# Altium PCB TC264PCB.PcbDoc
Units mm, origin at the board's own origin, x right, y up, seen from the top; angles counter-clockwise.
Board outline 100.58 x 100.35 mm, 2 copper layers (Top Layer, Bottom Layer); 82 components, 103 nets, 403 pads, 81 vias.
Unrouted connection lines stored in the file: 8.
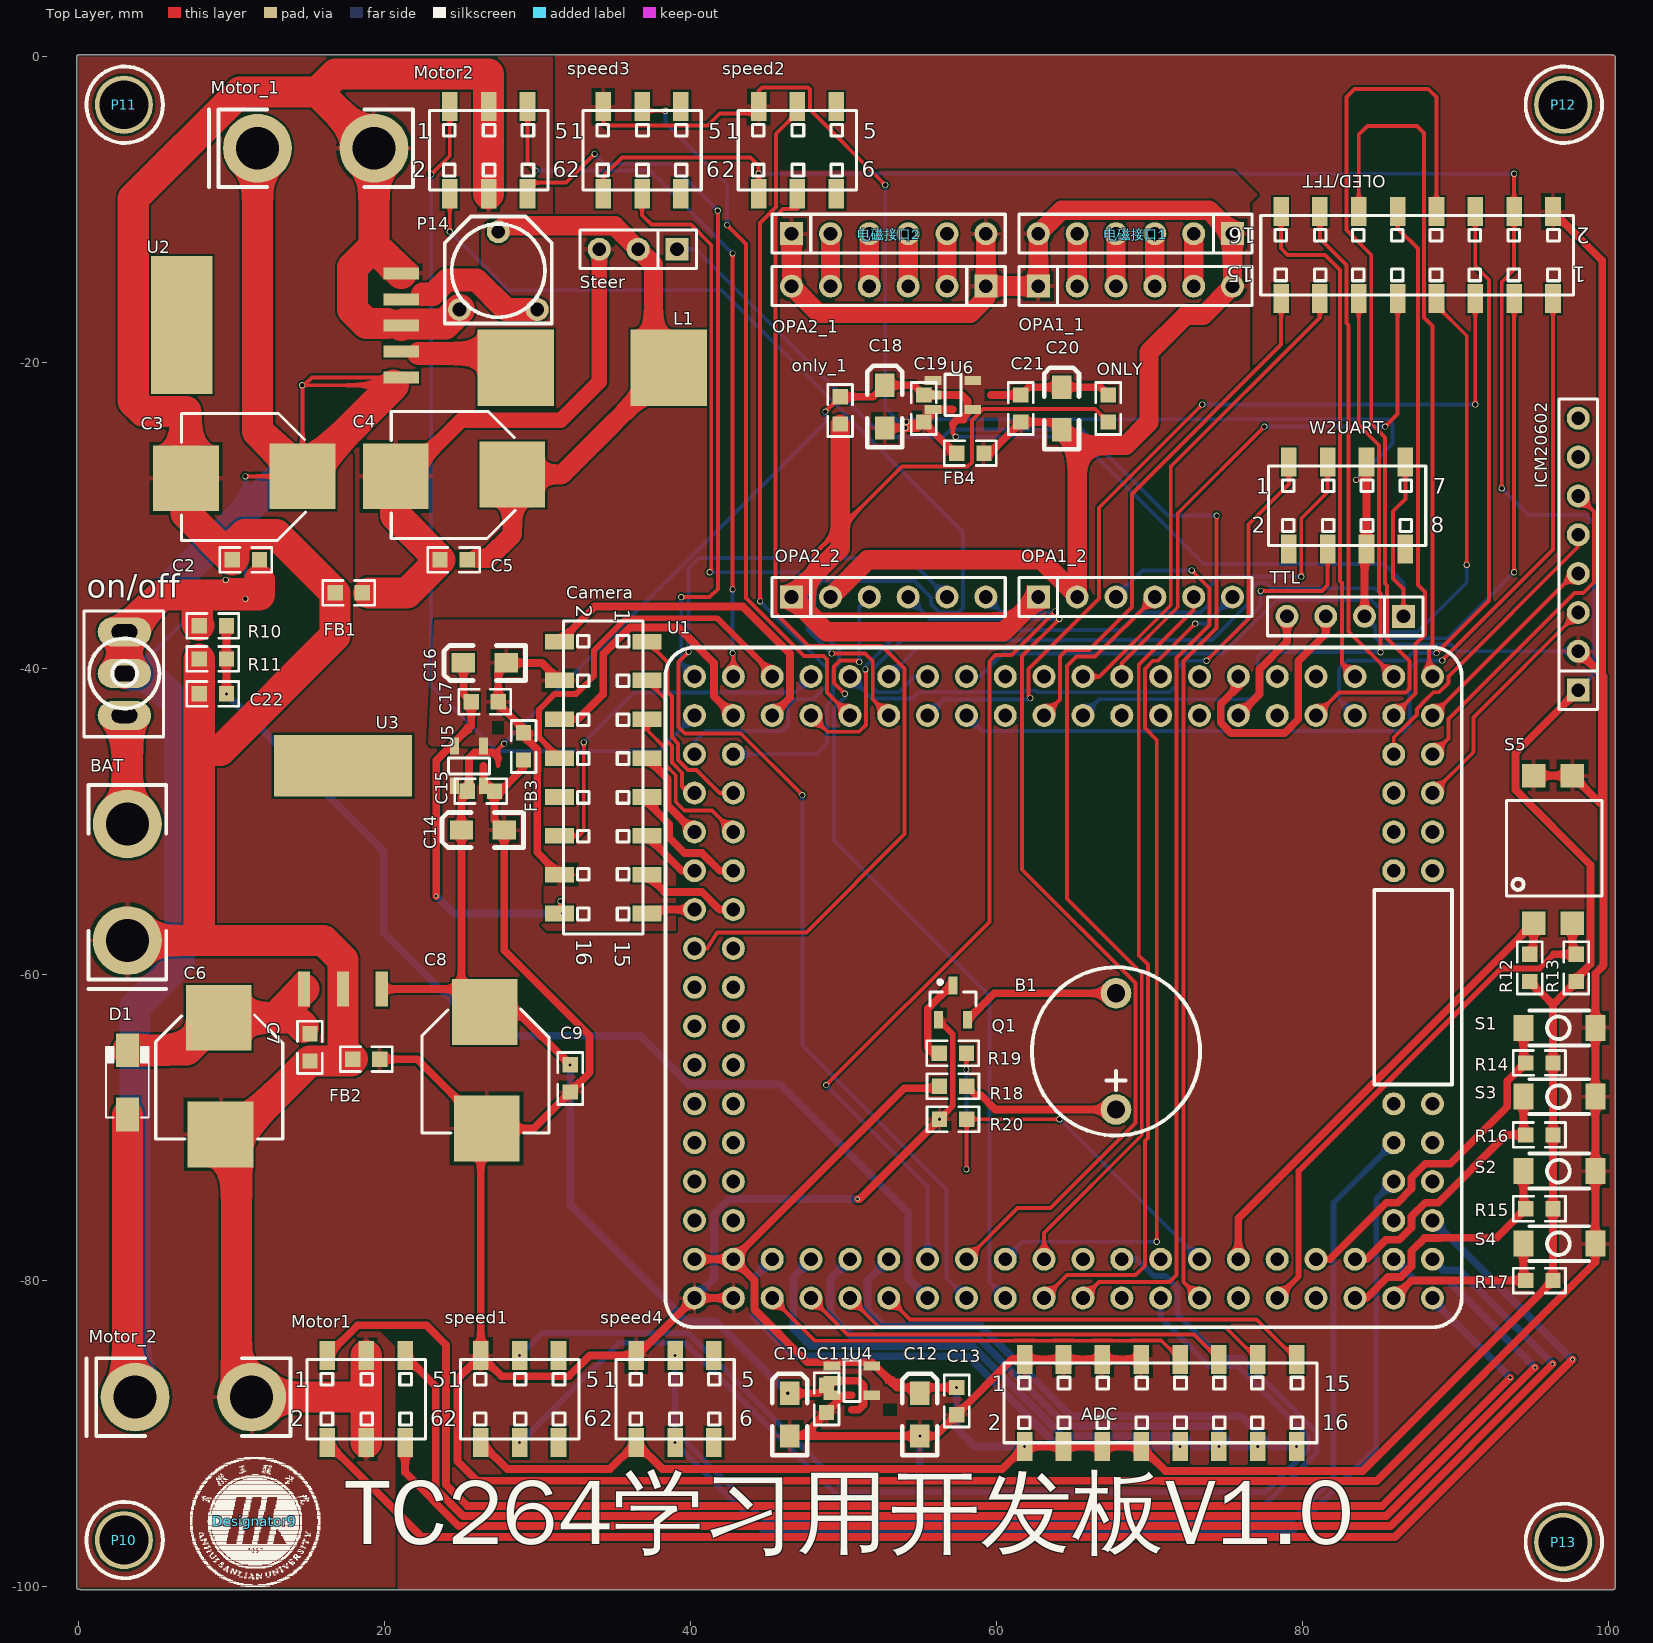
[diagram p0: Top Layer view]
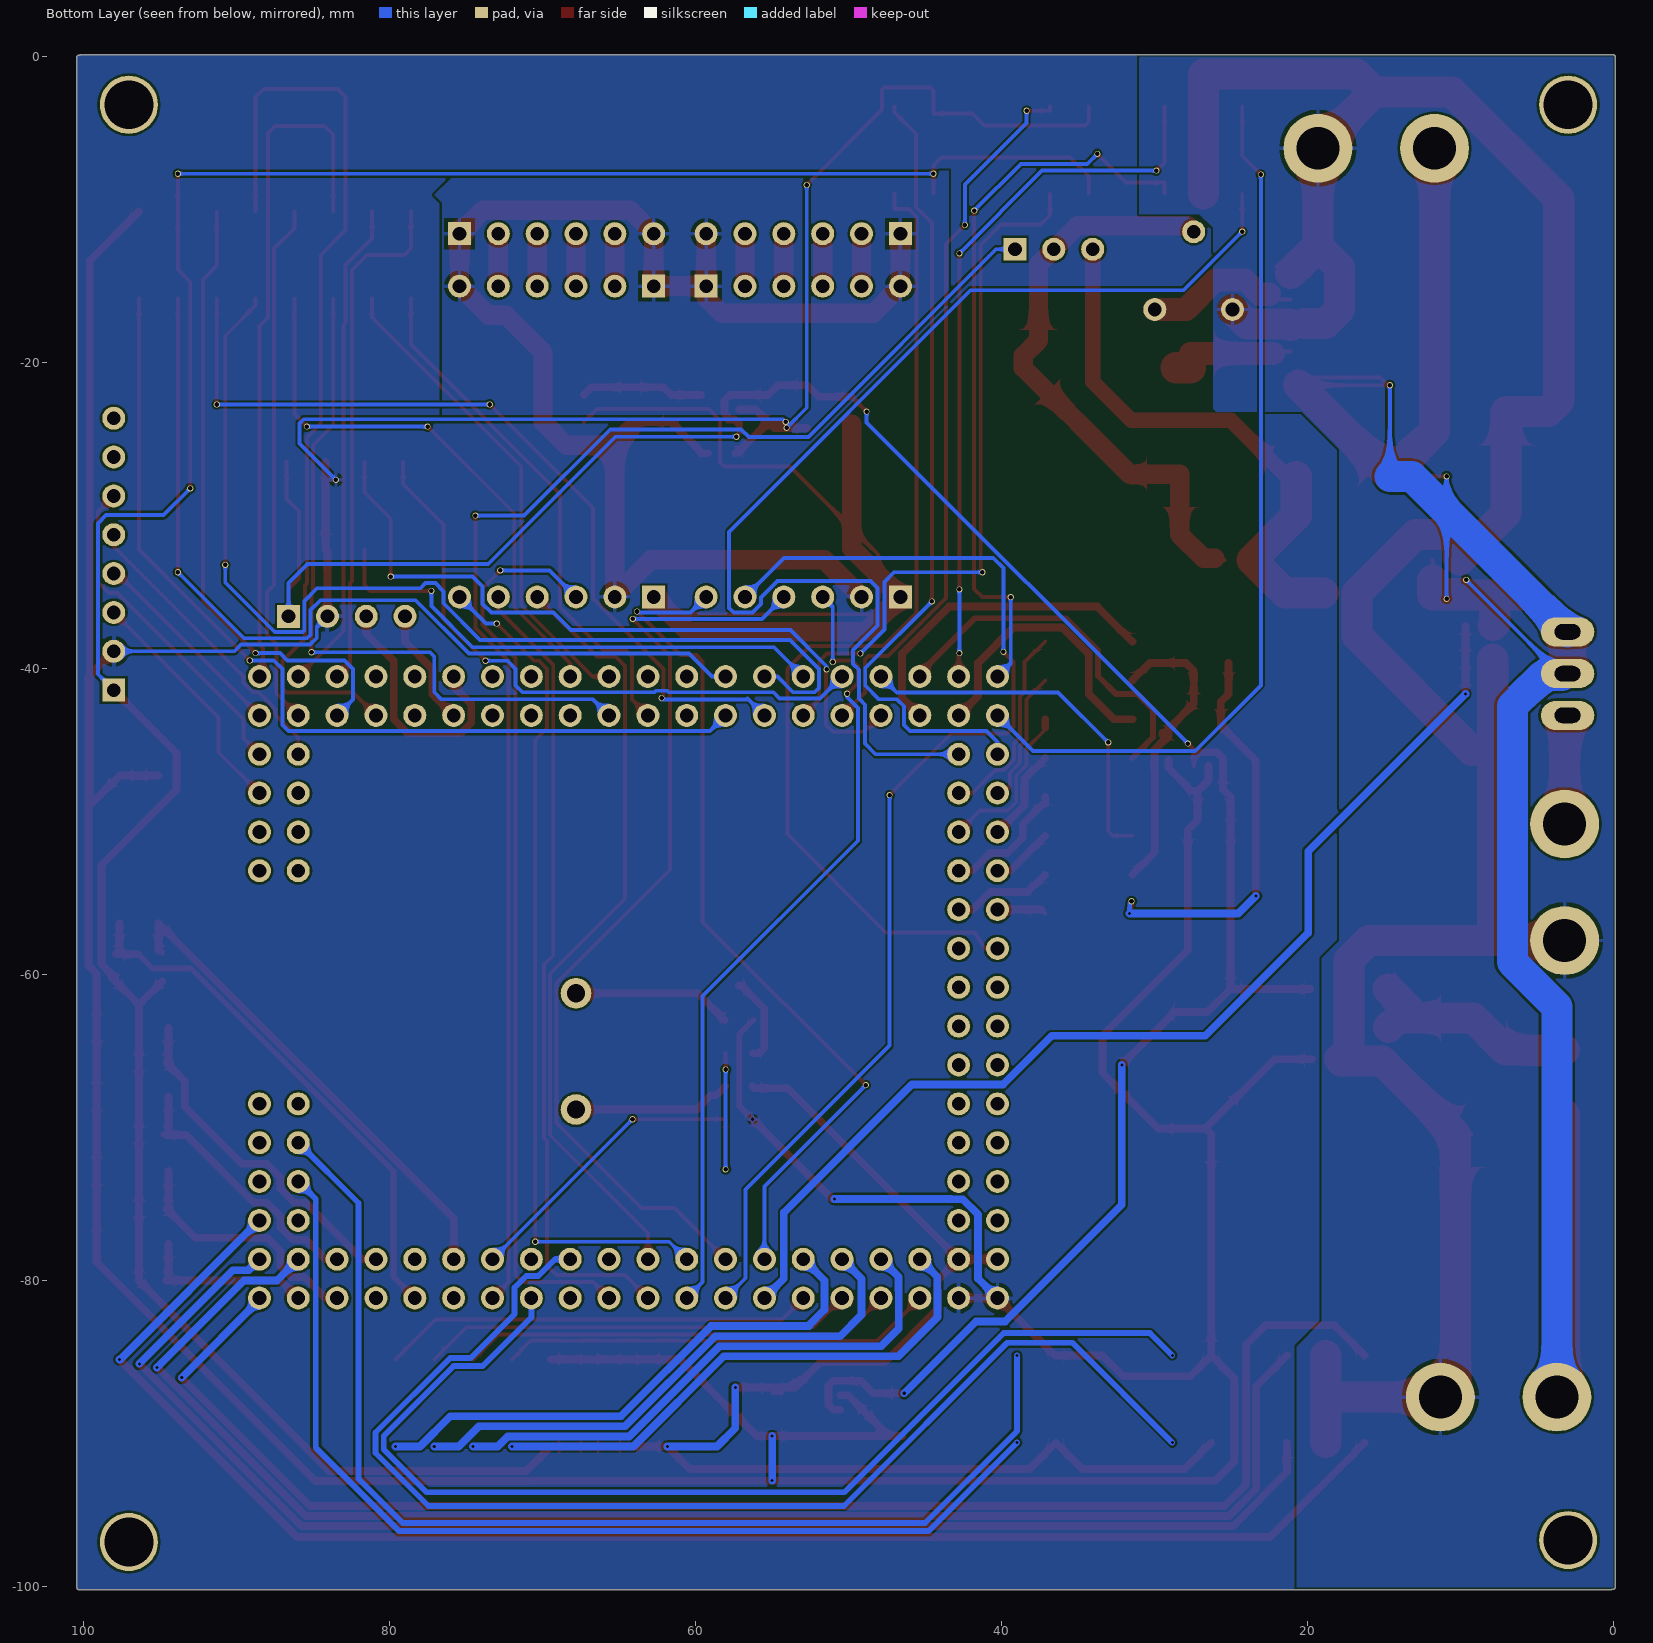
[diagram p1: Bottom Layer view, seen from below]

## Layer stack, top to bottom
Top Solder: solder mask 0.0102, Solder Resist, Dk 3.5
Top Layer: signal copper 0.0356
Dielectric 1: dielectric 0.32, FR-4, Dk 4.8
Bottom Layer: signal copper 0.0356
Bottom Solder: solder mask 0.0102, Solder Resist, Dk 3.5

## Board outline
-0.127,-100.066 ccw(c0,-100.066) 0.046,-100.185 ccw(c0.127,-100.086) 0.127,-100.213 100.33,-100.213 ccw(c100.33,-100.086) 100.457,-100.086 100.457,-0.01 ccw(c100.33,-0.01) 100.284,0.109 ccw(c100.203,0.01) 100.203,0.137 0,0.137 ccw(c0,0.01) -0.127,0.01

## Design rules (kind name [scope] priority, off if disabled: settings)
Clearance [All] p1: gap=0.152 ignorepadtopadclearanceinfootprint=FALSE
ComponentClearance [All] p1: gap=0 collisioncheckmode=3 verticalgap=0 showdistances=FALSE
HoleSize [All] p1: absolutevalues=TRUE maxlimit=12.7 minlimit=0.025 maxpercent=80.000 minpercent=20.000
HoleToHoleClearance [All] p1: gap=0.051 allowstackedmicrovias=TRUE
MinimumSolderMaskSliver [All] p1: minsoldermaskwidth=0
PolygonConnect [All] p1: connectstyle=Relief reliefconductorwidth=0.254 reliefentries=4 polygonreliefangle="90 Angle" airgapwidth=0.254
RoutingVias [All] p1: holewidth=0.3 width=0.4 viastyle="Through Hole" minholewidth=0.3 minwidth=0.4 maxholewidth=0.3 maxwidth=0.4
SilkToSilkClearance [All] p1: silktosilkclearance=0
SilkToSolderMaskClearance [IsPad] p1: minsilkscreentomaskgap=0 clearancetoexposedcopper=TRUE
SolderMaskExpansion [All] p1: expansion=0.102 istentingtop=FALSE
Width [All] p1: maxlimit=12.7 minlimit=0.025 preferedwidth=0.254 minimp=50.000000 maximp=50.000000 favimp=50.000000
24 further rules are at their usual default settings.

## Components (designator, comment, footprint, x,y, rotation, side; value= is the part's Value field where it differs from the comment)
ADC "Header 8X2" HDR2.54-M-LS-2x8P 70.739,-88.011 r0 top
B1 "BEEP" 9*11mm有源蜂鸣器 67.818,-65.024 r90 top
BAT "Header 2" 电源端口 3.175,-57.775 r90 top
C2 "Cap" 0603电容_ 11.049,-32.883 r0 top value=0.1uf
C3 "Cap Pol1" 470UF 10.668,-27.422 r0 top value=330uf
C4 "Cap Pol1" 470UF 24.384,-27.295 r0 top value=330uf
C5 "Cap" 0603电容_ 24.638,-32.883 r0 top value=0.1uf
C6 "Cap Pol1" 470UF 9.144,-66.792 r90 top value=220uf
C7 "Cap" 0603电容_ 15.113,-64.633 r90 top value=0.1uf
C8 "Cap Pol1" 470UF 26.543,-66.411 r90 top value=220uf
C9 "Cap" 0603电容_ 32.131,-66.665 r90 top value=0.1uf
C10 "Cap Pol2" 10UF钽电容 46.355,-88.9 r0 top value=10uf
C11 "Cap" 0603电容_ 48.895,-87.617 r90 top value=0.1uf
C12 "Cap Pol2" 10UF钽电容 54.864,-88.9 r0 top value=10uf
C13 "Cap" 0603电容_ 57.404,-87.757 r90 top value=0.1uf
C14 "Cap Pol2" 10UF钽电容 26.543,-50.673 r90 top value=10uf
C15 "Cap" 0603电容_ 26.162,-48.006 r180 top value=0.1uf
C16 "Cap Pol2" 10UF钽电容 26.67,-39.751 r90 top value=10uf
C17 "Cap" 0603电容_ 26.416,-42.164 r180 top value=0.1uf
C18 "Cap Pol2" 10UF钽电容 52.578,-22.987 r0 top value=10uf
C19 "Cap" 0603电容_ 55.245,-22.86 r90 top value=0.1uf
C20 "Cap Pol2" 10UF钽电容 64.135,-23.114 r0 top value=10uf
C21 "Cap" 0603电容_ 61.595,-22.86 r90 top value=0.1uf
C22 "Cap" 0603电容_ 8.89,-41.646 r0 top value=0.1uf
Camera "Header 8X2" HDR2.54-M-LS-2x8P 34.29,-47.117 r270 top
D1 "SS54" in5819_SLFK 3.175,-67.046 r90 top
Designator9 "Comment" 三联logo 11.519,-95.758 r0 top
FB1 "0R" 0603电阻_ 17.653,-35.042 r180 top
FB2 "0R" 0603电阻_ 18.796,-65.532 r180 top
FB3 "0R" 0603电阻_ 29.083,-45.085 r270 top
FB4 "0R" 0603电阻_ 58.293,-25.908 r180 top
ICM20602 "Header 8" HDR1X8 98.044,-41.402 r90 top
L1 "330uH" 330uH 28.575,-20.32 r0 top
Motor1 "Header 3X2" HDR2.54-M-LS-2x3P 18.796,-87.757 r0 top (schematic designator 电机接口1)
Motor2 "Header 3X2" HDR2.54-M-LS-2x3P 26.797,-6.096 r0 top (schematic designator 电机接口2)
Motor_1 "Header 2" 电源端口 11.684,-5.969 r0 top (schematic designator 供电1)
Motor_2 "Header 2" 电源端口 3.683,-87.63 r0 top (schematic designator 供电2)
OLED/TFT "Header 8X2" HDR2.54-M-LS-2x8P 87.503,-12.954 r180 top
on/off "Header 3" 小扭子开关 3.048,-40.259 r270 top
ONLY "0R" 0603电阻_ 67.31,-22.987 r90 top
only_1 "0R" 0603电阻_ 49.784,-23.114 r90 top
OPA1_1 "Header 6" HDR1X6 62.738,-14.986 r0 top
OPA1_2 "Header 6" HDR1X6 62.738,-35.306 r0 top
OPA2_1 "Header 6" HDR1X6 59.309,-14.986 r180 top
OPA2_2 "Header 6" HDR1X6 46.609,-35.306 r0 top
P10 "SMB" 螺丝孔 2.921,-97.028 r0 top
P11 "SMB" 螺丝孔 2.921,-3.175 r0 top
P12 "SMB" 螺丝孔 97.028,-3.175 r0 top
P13 "SMB" 螺丝孔 97.028,-97.155 r0 top
P14 "10K可调" 白兰可调电阻 27.432,-11.43 r0 top
Q1 "S8050" SI2302 57.15,-61.839 r90 top
R10 "200K" 0603电阻_ 8.763,-37.201 r180 top
R11 "100K" 0603电阻_ 8.763,-39.36 r0 top
R12 "4.7K" 0603电阻_ 94.869,-59.563 r270 top
R13 "4.7K" 0603电阻_ 97.917,-59.563 r270 top
R14 "4.7K" 0603电阻_ 95.504,-65.776 r0 top
R15 "4.7K" 0603电阻_ 95.504,-75.311 r0 top
R16 "4.7K" 0603电阻_ 95.504,-70.485 r0 top
R17 "4.7K" 0603电阻_ 95.504,-80.01 r0 top
R18 "10R" 0603电阻_ 57.166,-67.3 r180 top
R19 "4.7K" 0603电阻_ 57.15,-65.141 r0 top
R20 "10K" 0603电阻_ 57.166,-69.459 r0 top
S1 "" 3*4*2贴片轻触按键 94.465,-63.483 r0 top
S2 "" 3*4*2贴片轻触按键 94.465,-72.851 r0 top
S3 "" 3*4*2贴片轻触按键 94.465,-67.985 r0 top
S4 "" 3*4*2贴片轻触按键 94.465,-77.597 r0 top
S5 "拨码开关" 2pin拨码开关2.54_SMT 95.123,-56.642 r90 top
speed1 "Header 3X2" HDR2.54-M-LS-2x3P 28.829,-87.757 r0 top (schematic designator 编码器1)
speed2 "Header 3X2" HDR2.54-M-LS-2x3P 46.99,-6.096 r0 top (schematic designator 编码器2)
speed3 "Header 3X2" HDR2.54-M-LS-2x3P 36.83,-6.096 r0 top (schematic designator 编码器3)
speed4 "Header 3X2" HDR2.54-M-LS-2x3P 38.989,-87.757 r0 top (schematic designator 编码器4)
Steer "Header 3" HDR1X3 39.116,-12.573 r180 top
TTL "TTL" HDR1X4 86.614,-36.576 r180 top
U1 "TC264_CoreBoard" TC264_CoreBoard 40.259,-81.153 r90 top
U2 "LM2596S-ADJ" TO263-5 21.082,-20.955 r90 top
U3 "LM2940" LM2940-5.0 14.732,-60.95 r0 top
U4 "RT9013-33" SOT-23-5 50.546,-86.554 r0 top
U5 "RT9013-33" SOT-23-5 25.517,-46.355 r90 top
U6 "RT9013-33" SOT-23-5 57.15,-22.098 r0 top
W2UART "W2UART" HDR2.54-M-LS-2x4P 82.931,-29.337 r0 top
电磁接口1 "Header 6" HDR1X6 75.438,-11.557 r180 top
电磁接口2 "Header 6" HDR1X6 46.609,-11.557 r0 top

## Footprints (in the part's own frame and the unit in brackets; to place one, negate y for a bottom-side part, rotate by r counter-clockwise, add the part's x,y. Pads: shape width x height; smd on the part's side, far side on the other; paste and mask are expansions set on the pad)
2pin拨码开关2.54_SMT [mm]
  rect 1.54x1.54 smd: 1(0,0) 2(0,-2.54) 3(9.652,-2.54) 4(9.652,0)
  silkscreen extent 1.78,-4.47 8.03,1.78, body extent 0.12,-4.9 9.19,2.16, height 4.45
3*4*2贴片轻触按键 [mm]
  rect 1.3x1.7 smd: 1(0,0) 2(4.699,0)
  silkscreen extent 0.38,-1.14 4.28,1.14, body extent -0.12,-1.14 4.78,1.14, height 2
9*11mm有源蜂鸣器 [mm]
  round 2 hole 1.2: 1(-3.8,0) 2(3.8,0)
  silkscreen extent -5.5,-5.5 5.5,5.5
10UF钽电容 [mil]
  rect 50x60 smd: 1(5,60) 2(5,-50)
  silkscreen extent -40,-100 50,110, body extent -26,-58 36,68, height 63
330uH [mm]
  rect 5x5 smd: 1(0,0) 2(10,0)
470UF [mm]
  rect 4.3x4.3 smd: 1(3.962,0) 2(-3.658,-0.127)
  silkscreen extent -3.96,-4.19 4.15,4.11, body extent -5,-4.41 4.7,4.09, height 10.3
0603电容_ [mm]
  rect 1x1 smd: 1(-1.016,0) 2(0.762,0)
  silkscreen extent -1.83,-0.81 1.57,0.81, body extent -0.92,-0.38 0.68,0.42, height 0.3
0603电阻_ [mm]
  rect 1x1 smd: 1(0.889,0) 2(-0.889,0)
  silkscreen extent -1.7,-0.81 1.7,0.81, body extent -0.8,-0.4 0.8,0.4, height 0.3
HDR1X3 [mm] "Connector; Header; 3 Position"
  rect 1.5x1.5 hole 0.9: 1(0,0)
  round 1.5 hole 0.9: 2(2.54,0) 3(5.08,0)
  silkscreen extent -1.27,-1.27 6.35,1.27, body extent -1.27,-1.27 6.35,1.27, height 8.54
HDR1X4 [mm] "Connector; Header; 4 Position"
  rect 1.5x1.5 hole 0.9: 1(0,0)
  round 1.5 hole 0.9: 2(2.54,0) 3(5.08,0) 4(7.62,0)
  silkscreen extent -1.27,-1.27 8.89,1.27, body extent -1.27,-1.27 8.89,1.27, height 8.54
HDR1X6 [mm] "Connector; Header; 6 Position"
  rect 1.5x1.5 hole 0.9: 1(0,0)
  round 1.5 hole 0.9: 2(2.54,0) 3(5.08,0) 4(7.62,0) 5(10.16,0) 6(12.7,0)
  silkscreen extent -1.27,-1.27 13.97,1.27, body extent -1.27,-1.27 13.97,1.27, height 8.54
HDR1X8 [mm] "Connector; Header; 8 Position"
  rect 1.5x1.5 hole 0.9: 1(0,0)
  round 1.5 hole 0.9: 2(2.54,0) 3(5.08,0) 4(7.62,0) 5(10.16,0) 6(12.7,0) 7(15.24,0) 8(17.78,0)
  silkscreen extent -1.27,-1.27 19.05,1.27, body extent -1.27,-1.27 19.05,1.27, height 8.54
HDR2.54-M-LS-2x3P [mm] "脚距：2.54mm，贴片双排母"
  rect 1.02x1.9 smd: 1(-2.54,2.85) 2(-2.54,-2.85) 3(0,2.85) 4(0,-2.85) 5(2.54,2.85) 6(2.54,-2.85)
  silkscreen extent -3.87,-2.6 3.87,2.6, body extent -3.84,-3.2 3.84,3.2, height 5.15
HDR2.54-M-LS-2x4P [mm] "脚距：2.54mm，贴片双排母"
  rect 1.02x1.9 smd: 1(-3.81,2.85) 2(-3.81,-2.85) 3(-1.27,2.85) 4(-1.27,-2.85) 5(1.27,2.85) 6(1.27,-2.85) 7(3.81,2.85) 8(3.81,-2.85)
  silkscreen extent -5.15,-2.6 5.14,2.6, body extent -5.11,-3.2 5.11,3.2, height 5.15
HDR2.54-M-LS-2x8P [mm] "脚距：2.54mm，贴片双排母"
  rect 1.02x1.9 smd: 1(-8.89,2.85) 2(-8.89,-2.85) 3(-6.35,2.85) 4(-6.35,-2.85) 5(-3.81,2.85) 6(-3.81,-2.85) 7(-1.27,2.85) 8(-1.27,-2.85) 9(1.27,2.85) 10(1.27,-2.85) 11(3.81,2.85) 12(3.81,-2.85) 13(6.35,2.85) 14(6.35,-2.85) 15(8.89,2.85) 16(8.89,-2.85)
  silkscreen extent -10.23,-2.6 10.22,2.6, body extent -10.19,-3.2 10.19,3.2, height 5.15
in5819_SLFK [mm] "JEDEC DO214 variation AC. SMA"
  rect 2.2x1.5 smd: 1(-2.1,0) 2(2.1,0)
  silkscreen extent -2.3,-1.4 2.3,1.4, body extent -2.6,-1.3 2.6,1.3, height 2.42
LM2940-5.0 [mm]
  rect 9x4 smd: 0(2.54,14.605)
  rect 0.8x2.3 smd: 1(0,0) 2(2.54,0) 3(5.08,0)
  body extent -2.46,-0.29 7.54,15.38, height 4.78
SI2302 [mm] "MOSFET-N"
  rect 1.15x0.6 smd: 1(-1.128,0.934) 2(-1.128,-0.966) 3(1.122,-0.016)
  silkscreen extent -0.2,-1.52 1.47,1.48, body extent -0.7,-1.52 0.7,1.48, height 1.1
SOT-23-5 [mm] "SOT23, 5-Leads, Body 2.92x2.79mm, Pitch 0.95mm, IPC Medium Density"
  rect 1.1x0.6 smd: 1(-1.3,0.95) 2(-1.3,0) 3(-1.3,-0.95) 4(1.3,-0.95) 5(1.3,0.95)
  silkscreen extent -0.53,-1.35 0.53,1.35, body extent -1.42,-1.46 1.42,1.46, height 1.08
TC264_CoreBoard [mm] "逐飞科技TC264核心板"
  round 1.5 hole 0.9: 1(0,0) 2(2.54,0) 3(0,-2.54) 4(2.54,-2.54) 5(0,-5.08) 6(2.54,-5.08) 7(0,-7.62) 8(2.54,-7.62) 9(0,-10.16) 10(2.54,-10.16) 11(0,-12.7) 12(2.54,-12.7) 13(0,-15.24) 14(2.54,-15.24) 15(0,-17.78) 16(2.54,-17.78) 17(0,-20.32) 18(2.54,-20.32) 19(0,-22.86) 20(2.54,-22.86) 21(0,-25.4) 22(2.54,-25.4) 23(0,-27.94) 24(2.54,-27.94) 25(0,-30.48) 26(2.54,-30.48) 27(0,-33.02) 28(2.54,-33.02) 29(0,-35.56) 30(2.54,-35.56) 31(0,-38.1) 32(2.54,-38.1) 33(0,-40.64) 34(2.54,-40.64) 35(0,-43.18) 36(2.54,-43.18) 37(0,-45.72) 38(2.54,-45.72) 39(0,-48.26) 40(2.54,-48.26) 41(5.08,-48.26) 42(5.08,-45.72) 43(7.62,-48.26) 44(7.62,-45.72) 45(10.16,-48.26) 46(10.16,-45.72) 47(12.7,-48.26) 48(12.7,-45.72) 49(27.94,-45.72) 50(27.94,-48.26) 51(30.48,-45.72) 52(30.48,-48.26) 53(33.02,-45.72) 54(33.02,-48.26) 55(35.56,-45.72) 56(35.56,-48.26) 57(38.1,-48.26) 58(40.64,-48.26) 59(38.1,-45.72) 60(40.64,-45.72) 61(38.1,-43.18) 62(40.64,-43.18) 63(38.1,-40.64) 64(40.64,-40.64) 65(38.1,-38.1) 66(40.64,-38.1) 67(38.1,-35.56) 68(40.64,-35.56) 69(38.1,-33.02) 70(40.64,-33.02) 71(38.1,-30.48) 72(40.64,-30.48) 73(38.1,-27.94) 74(40.64,-27.94) 75(38.1,-25.4) 76(40.64,-25.4) 77(38.1,-22.86) 78(40.64,-22.86) 79(38.1,-20.32) 80(40.64,-20.32) 81(38.1,-17.78) 82(40.64,-17.78) 83(38.1,-15.24) 84(40.64,-15.24) 85(38.1,-12.7) 86(40.64,-12.7) 87(38.1,-10.16) 88(40.64,-10.16) 89(38.1,-7.62) 90(40.64,-7.62) 91(38.1,-5.08) 92(40.64,-5.08) 93(38.1,-2.54) 94(40.64,-2.54) 95(38.1,0) 96(40.64,0) 97(35.56,-2.54) 98(35.56,0) 99(33.02,-2.54) 100(33.02,0) 101(30.48,-2.54) 102(30.48,0) 103(27.94,-2.54) 104(27.94,0) 105(25.4,-2.54) 106(25.4,0) 107(22.86,-2.54) 108(22.86,0) 109(20.32,-2.54) 110(20.32,0) 111(17.78,-2.54) 112(17.78,0) 113(15.24,-2.54) 114(15.24,0) 115(12.7,-2.54) 116(12.7,0) 117(10.16,-2.54) 118(10.16,0) 119(7.62,-2.54) 120(7.62,0) 121(5.08,-2.54) 122(5.08,0)
  silkscreen extent -1.91,-50.16 42.55,1.91
TO263-5 [mm]
  rect 9x4 smd: 0(3.429,14.351)
  rect 0.8x2.3 smd: 1(0,0) 2(1.7,0) 3(3.4,0) 4(5.1,0) 5(6.8,0)
  body extent -1.57,-0.54 8.43,15.13, height 4.83
三联logo [mm]
  silkscreen extent -4.24,-4.24 4.27,4.19
小扭子开关 [mm]
  oval 1.9x3.5 hole 1 slot 1.7 at 90 deg: 1(2.794,-0.063) 2(0.064,-0.063) 3(-2.667,-0.064)
  silkscreen extent -4.04,-2.71 4.19,2.49, body extent -4.14,-2.81 4.29,2.6, height 24
电源端口 [mm]
  round 4.5 hole 2.8: 1(0,0) 2(7.62,0)
  silkscreen extent -3.17,-2.54 10.16,2.54
白兰可调电阻 [mm]
  round 1.5 hole 0.9: 1(-2.54,-5.08) 2(2.54,-5.08) 3(0,0)
  silkscreen extent -3.51,-6.01 3.49,0.99, body extent -3.51,-6.01 3.5,0.99, height 5.84
螺丝孔 [mm]
  round 3.8 hole 3.2: 0(0.025,0.051)
  silkscreen extent -2.42,-2.45 2.58,2.55, body extent -2.72,-2.75 2.88,2.85, height 2.37

## Part data
ADC Camera OLED/TFT: "Header, 8-Pin, Dual row", LatestRevisionDate=17-Jul-2002, LatestRevisionNote="Re-released for DXP Platform.", Publisher="Altium Limited"
B1: library part "Header 2", "Header, 2-Pin", LatestRevisionDate=17-Jul-2002, LatestRevisionNote="Re-released for DXP Platform.", Publisher="Altium Limited"
BAT Motor_1 Motor_2: "Header, 2-Pin", LatestRevisionDate=17-Jul-2002, LatestRevisionNote="Re-released for DXP Platform.", Publisher="Altium Limited"
C2 C5 C7 C9 C11 C13 C15 C17 C19 C21 C22: "Capacitor", LatestRevisionDate=17-Jul-2002, LatestRevisionNote="Re-released for DXP Platform.", PackageDescription="Radial Cap, Thru-Hole; 2 Leads; 0.3 in Pin Spacing", PackageReference=RAD-0.3, Published=8-Jun-2000, Publisher="Altium Limited"
C3 C4 C6 C8: "Polarized Capacitor (Radial)", LatestRevisionDate=17-Jul-2002, LatestRevisionNote="Re-released for DXP Platform.", PackageDescription="Polarized Capacitor (Radial); 2 Leads", PackageReference=RB7.6-15, Published=8-Jun-2000, Publisher="Altium Limited"
C10 C12 C14 C16 C18 C20: "Polarized Capacitor (Axial)", LatestRevisionDate=17-Jul-2002, LatestRevisionNote="Re-released for DXP Platform.", PackageDescription="Polarized Capacitor; 2 Leads", PackageReference=POLAR0.8, Published=8-Jun-2000, Publisher="Altium Limited"
D1: library part "Diode 1N5404", "3 Amp General Purpose Rectifier", ComponentLink1Description="Manufacturer Link", ComponentLink1URL=http://www.fairchildsemi.com/, ComponentLink2Description=Datasheet, ComponentLink2URL=http://www.fairchildsemi.com/ds/1N%2F1N5400.pdf, DatasheetVersion=1998, LatestRevisionDate=17-Jul-2002, LatestRevisionNote="Re-released for DXP Platform.", PackageDescription="Diode, Axial; Body 9.5 x 5.6 mm (LxDia. max), Lead Dia. 1.32 mm (max)", PackageReference=DO-201AD, PackageVersion=Aug-1999, Published=8-Jun-2000, Publisher="Altium Limited"
FB1 FB2 FB3 FB4 ONLY only_1 R10 R11 R12 R13 R14 R15 R16 R17 R18 R19 R20: library part Res2, "Resistor", LatestRevisionDate=17-Jul-2002, LatestRevisionNote="Re-released for DXP Platform.", PackageDescription="Axial Device, Thru-Hole; 2 Leads; 0.4 in Pin Spacing", PackageReference=AXIAL-0.4, Published=8-Jun-2000, Publisher="Altium Limited"
ICM20602: "Header, 8-Pin", LatestRevisionDate=17-Jul-2002, LatestRevisionNote="Re-released for DXP Platform.", Publisher="Altium Limited"
Motor1 Motor2 speed1 speed2 speed3 speed4: "Header, 3-Pin, Dual row", LatestRevisionDate=17-Jul-2002, LatestRevisionNote="Re-released for DXP Platform.", Publisher="Altium Limited"
on/off Steer: "Header, 3-Pin", LatestRevisionDate=17-Jul-2002, LatestRevisionNote="Re-released for DXP Platform.", Publisher="Altium Limited"
OPA1_1 OPA1_2 OPA2_1 OPA2_2 电磁接口1 电磁接口2: "Header, 6-Pin", LatestRevisionDate=17-Jul-2002, LatestRevisionNote="Re-released for DXP Platform.", Publisher="Altium Limited"
P10 P11 P12 P13: "SMB Straight Connector", LatestRevisionDate=17-Jul-2002, LatestRevisionNote="Re-released for DXP Platform.", Publisher="Altium Limited"
P14: library part "Header 3", "Header, 3-Pin", LatestRevisionDate=17-Jul-2002, LatestRevisionNote="Re-released for DXP Platform.", Publisher="Altium Limited"
Q1: library part 2N3904, "NPN General Purpose Amplifier", ComponentLink1Description="Manufacturer Link", ComponentLink1URL=http://www.fairchildsemi.com/, ComponentLink2Description=Datasheet, ComponentLink2URL=http://www.fairchildsemi.com/ds/2N%2F2N3904.pdf, DatasheetVersion=1997, LatestRevisionDate=15-Jan-2003, LatestRevisionNote="PCB Footprint 'BCY-W3/D4.7' replaced", PackageDescription="TO, Flat Index; 3 In-Line, Axial Leads; Body Dia. 4.5mm; Leads 0.51 x 0.48 mm (max)", PackageReference=TO-92A, PackageVersion=Sep-1998, Published=8-Jun-2000, Publisher="Altium Limited"
S1 S2 S3 S4: library part SW-PB, "Switch", LatestRevisionDate=17-Jul-2002, LatestRevisionNote="Re-released for DXP Platform.", PackageDescription="Switch; 2 Leads", PackageReference=SPST-2, Published=24-Mar-1999, Publisher="Altium Limited"
S5: library part "SW DIP-2", "DIP Switch, 2 Position, SPST", LatestRevisionDate=17-Jul-2002, LatestRevisionNote="Re-released for DXP Platform.", PackageReference=DIP-4, Published=24-Mar-1999, Publisher="Altium Limited"
TTL: library part "Header 4", "Header, 4-Pin", LatestRevisionDate=17-Jul-2002, LatestRevisionNote="Re-released for DXP Platform.", Publisher="Altium Limited"
U1: "逐飞科技TC264核心板"
U2: library part LM2596S
W2UART: library part "Header 4X2", "Header, 4-Pin, Dual row", LatestRevisionDate=17-Jul-2002, LatestRevisionNote="Re-released for DXP Platform.", Publisher="Altium Limited"

## Via types
v1: diameter 0.4, hole 0.3, Top Layer to Bottom Layer, 58 vias
v2: diameter 0.3/0.1 (per signal layer), hole 0.2, Top Layer to Bottom Layer, 23 vias

## Nets (pads, with @x,y where several pads share a name; then routed paths per layer and width w, separated by ;. In a path a pad name is that pad's centre, name@x,y a point inside that pad or via, vN(x,y) a via of type N, cw(c..) or ccw(c..) an arc to the next point about the centre after c; other vN are vias at no path point)
00.0: Camera.1 U1.99 | length 13.1
  Top Layer w0.254: Camera.1 38.481,-39.568 38.481,-41.533 38.776,-41.828 38.776,-44.478 39.182,-44.885 39.182,-45.972 39.833,-46.622 40.386,-46.622 41.897,-48.133 U1.99
00.1: Camera.3 U1.100 | length 8.9
  Top Layer w0.254: Camera.3 38.369,-41.996 38.369,-44.647 38.776,-45.053 38.776,-46.14 39.436,-46.801 39.436,-47.691 39.878,-48.133 U1.100
00.2: Camera.5 U1.101 | length 11.2
  Top Layer w0.254: 37.14,-43.856 37.14,-43.992 38.369,-45.221 38.369,-46.309 39.03,-46.969 39.03,-48.719 39.587,-49.276 41.402,-49.276 U1.101
  Top Layer w0.508: 37.14,-43.856 Camera.5 ; U1.101@42.418,-50.673 U1.101
00.3: Camera.7 U1.102 | length 6.1
  Top Layer w0.508: Camera.7 38.496,-47.203 38.496,-48.94 40.23,-50.673 U1.102
00.4: Camera.9 U1.103 | length 8.4
  Top Layer w0.508: Camera.9 37.14,-48.697 38.608,-50.165 38.608,-51.054 39.611,-52.057 40.754,-52.057 41.91,-53.213 U1.103
00.5: Camera.11 U1.104 | length 4.1
  Top Layer w0.508: Camera.11 39.426,-53.213 U1.104
00.6: Camera.13 U1.105 | length 6.6
  Top Layer w0.508: Camera.13 38.27,-54.597 40.738,-54.597 41.894,-55.753 U1.105
00.7: Camera.15 U1.106 | length 3.2
  Top Layer w0.254: Camera.15 Camera.15@37.394,-55.753
  Top Layer w0.508: Camera.15@37.394,-55.753 U1.106
00.9: speed2.4 U1.108 | length 66.3
  Top Layer w0.254: U1.108 41.097,-58.293 41.758,-57.242 47.574,-57.242 54,-50.815 54,-39.995 52.522,-38.517 47.721,-38.517 45.568,-36.363 45.568,-10.42 46.041,-9.947 46.99,-9.947 speed2.4
02.0: Camera.12 U1.90 | length 24.2
  Top Layer w0.254: Camera.12 32.715,-50.927 33.02,-50.622 v1(33.02,-44.821)
  Bottom Layer w0.254: v1(33.02,-44.821) 36.297,-41.544 46.848,-41.544 U1.90
02.1: Camera.2 U1.91 | length 21.8
  Top Layer w0.508: Camera.2 33.726,-35.941 43.434,-35.941 46.495,-39.002 46.495,-41.897 U1.91
02.2: Camera.8 U1.92 | length 24.1
  Top Layer w0.381: Camera.8 30.099,-44.506 30.099,-42.672 31.125,-41.646 32.522,-41.646 33.693,-40.475 33.693,-38.795 35.785,-36.703 41.738,-36.703 45.339,-40.304 U1.92
02.3: Camera.6 U1.93 | length 19
  Top Layer w0.508: Camera.6 32.639,-43.307 34.29,-41.656 34.29,-39.042 36.022,-37.311 39.216,-37.311 41.529,-39.624 41.529,-41.783 U1.93
02.4: Motor2.5 U1.94 | length 47.2
  Top Layer w0.254: Motor2.5 29.337,-6.899 v1(29.87,-7.432) ; v1(42.748,-38.979) 42.799,-39.03 U1.94 ; v1(42.748,-34.813) v1(42.748,-12.842)
  Bottom Layer w0.254: v1(29.87,-7.432) 37.338,-7.432 v1(42.748,-12.842) ; v1(42.748,-38.979) v1(42.748,-34.813)
02.5: Motor2.1 U1.95 | length 58.3
  Top Layer w0.254: v1(23.038,-7.686) 24.257,-6.467 Motor2.1
  Bottom Layer w0.254: v1(23.038,-7.686) 23.038,-41.087 27.33,-45.38 37.932,-45.38 U1.95